# Allegro board LAY-29615_B4.brd (continued)
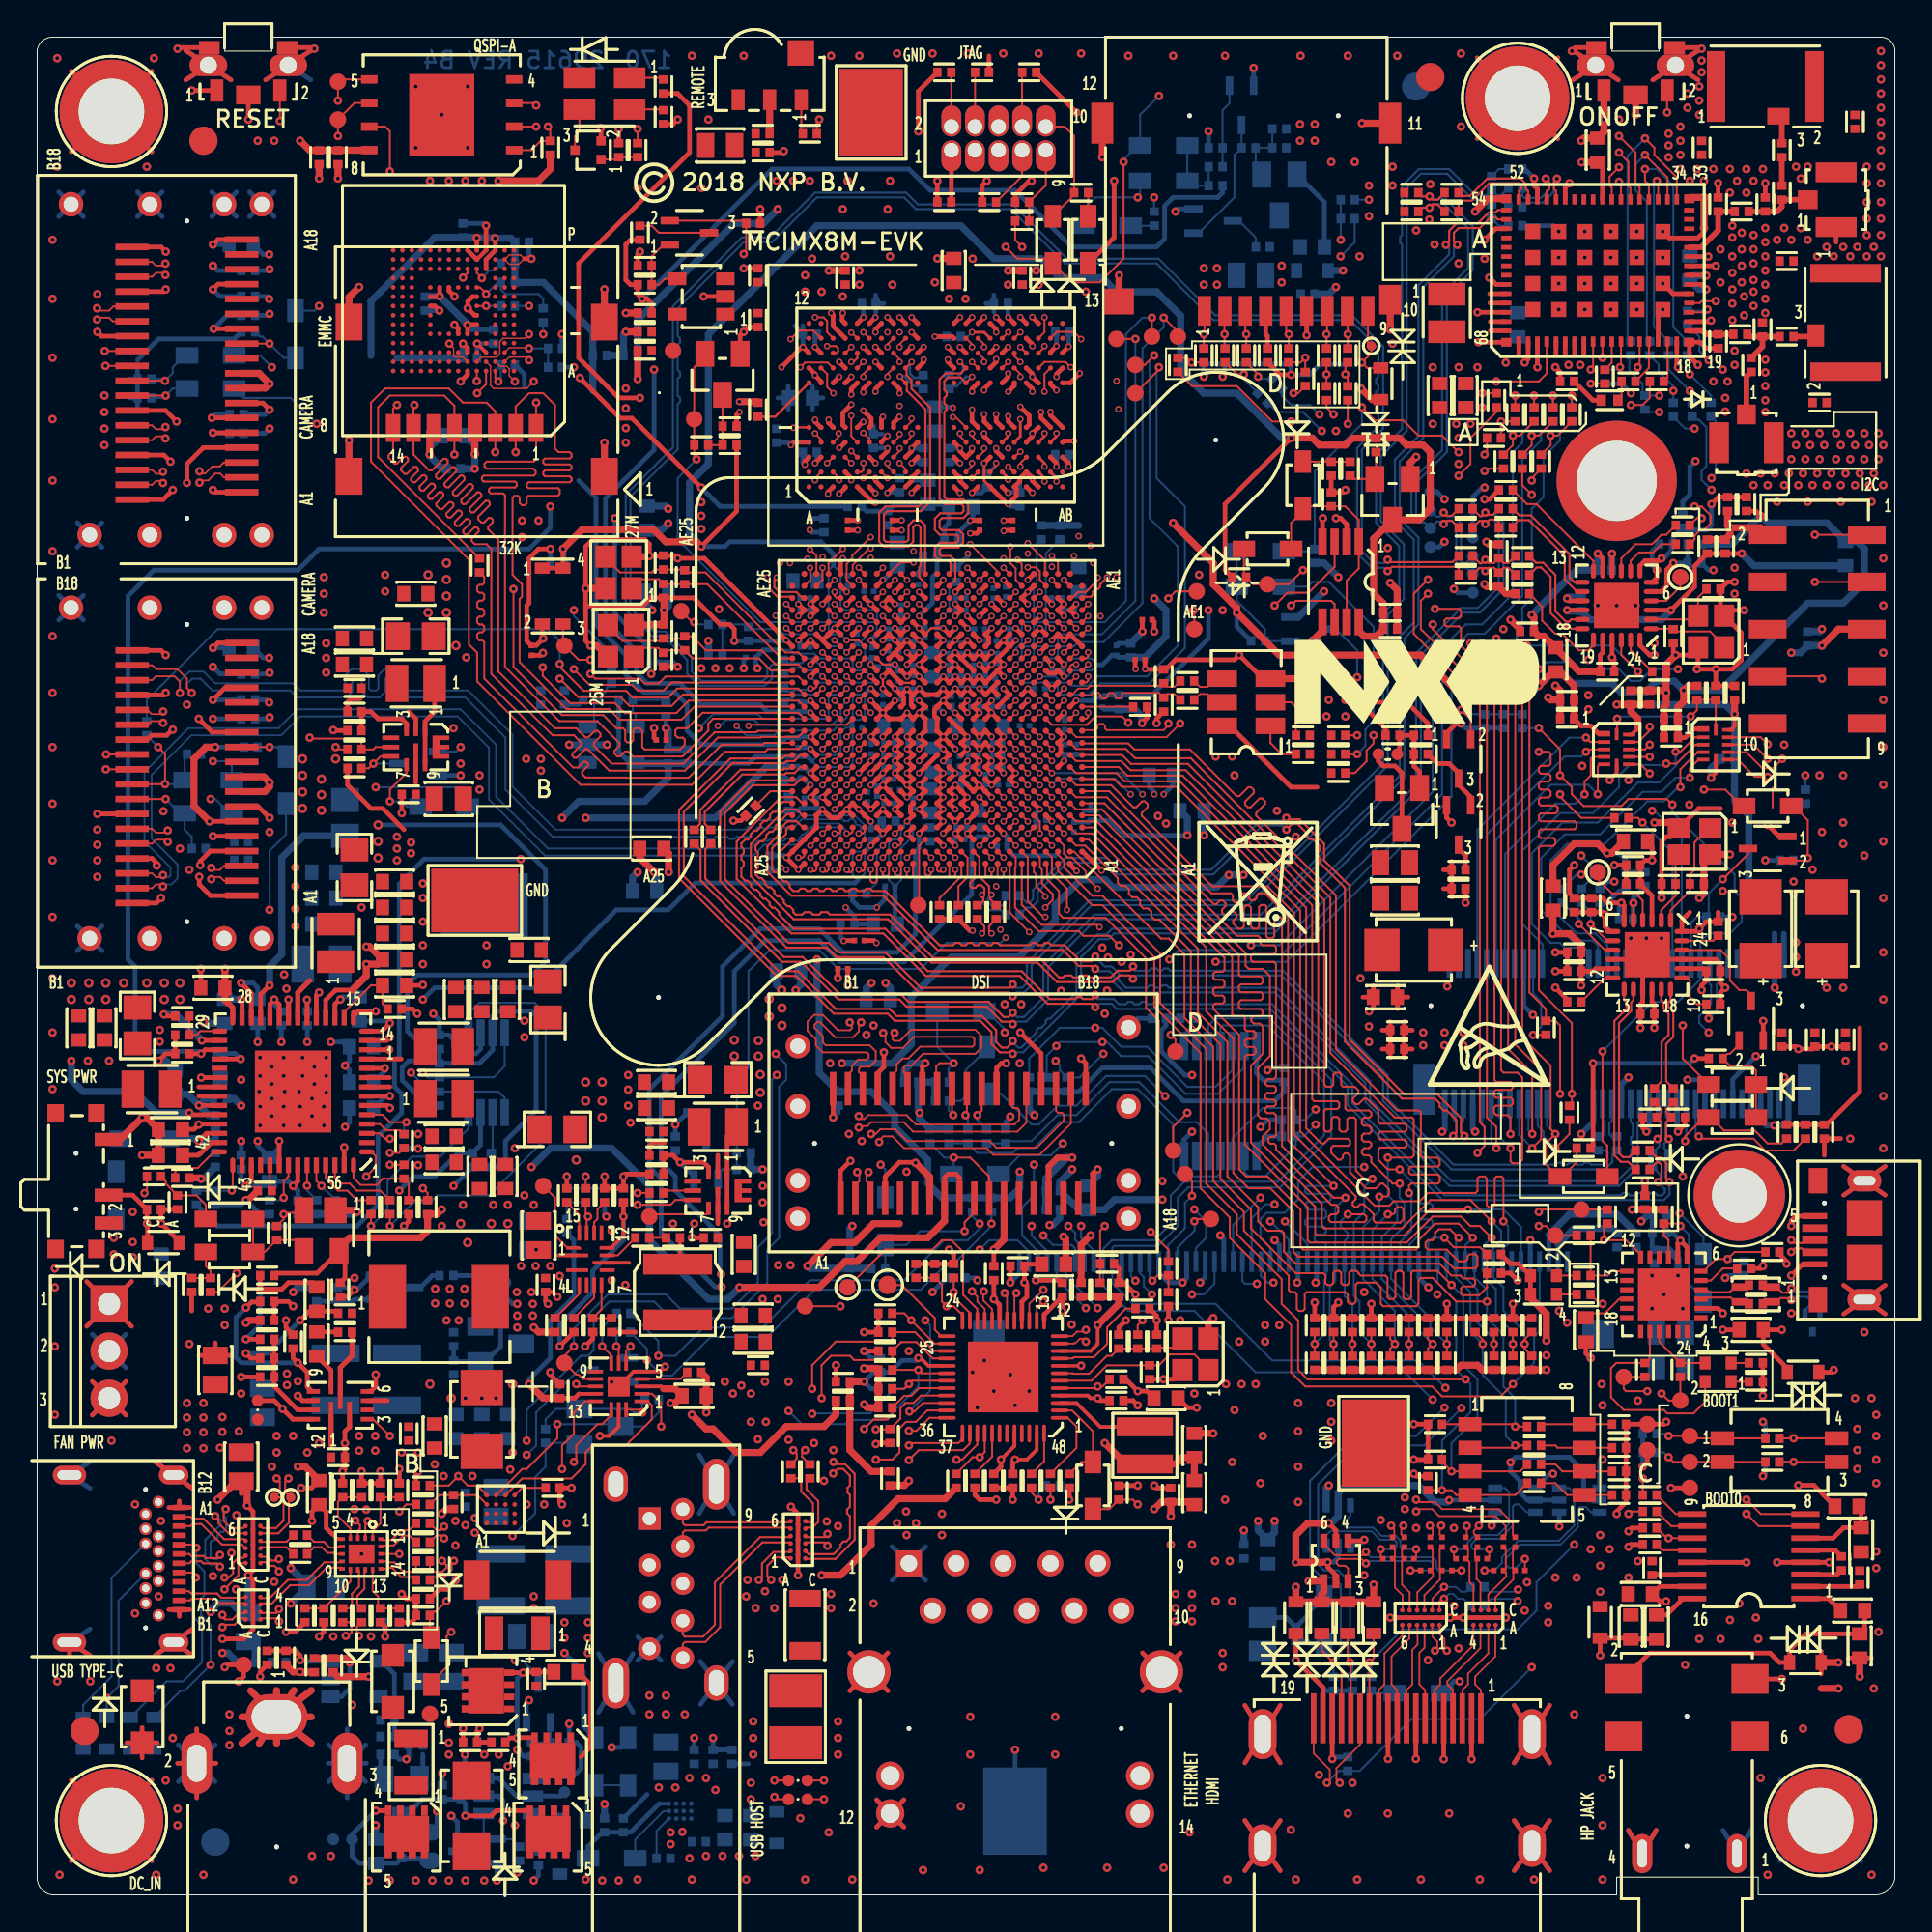
[diagram p0: board, top side]
## Nets
GND: BH1401.1(NC_1) BH1402.1(NC_1) BH1403.1(NC_1) BH1404.1(NC_1) BH1405.1 BH1406.1 C1.2 C2.2 C3.2 C4.2 C5.2 C6.2 C7.2 C8.2 C9.2 C10.2 C11.2 C12.2 C13.2 C14.2 C15.2 C16.2 C17.2 C18.2 C19.2 C20.2 C21.2 C22.2 C23.2 C24.2 C27.2 C28.2 C29.2 C31.2 C32.2 C33.2 C34.2 C35.2 C36.2 C101.2 C102.2 C103.2 C104.2 C105.2 C106.2 C107.2 C108.2 C109.2 C110.2 C111.2 C112.2 C113.2 C114.2 C115.2 C116.2 C117.2 C118.2 C119.2 C120.2 C121.2 C122.2 C123.2 C124.2 C125.2 C126.2 C127.2 C128.2 C129.2 C130.2 C131.2 C132.2 C133.2 C134.2 C135.2 C136.2 C137.2 C138.2 C139.2 C140.2 C144.2 C145.2 C146.1 C147.2 C148.2 C149.2 C150.2 C151.2 C152.2 C153.2 C154.2 C155.2 C156.2 C157.2 C158.2 C159.2 C160.2 C161.2 C162.2 C163.2 C164.2 C165.2 C166.2 C167.2 C168.2 C169.2 C170.2 C171.2 C172.2 C173.2 C174.2 C175.2 C176.2 C177.2 C178.2 C179.2 C180.2 C181.2 C182.2 C183.2 C184.2 C185.2 C186.2 C187.2 C188.2 C189.2 C190.2 C191.2 C192.2 C193.2 C194.2 C195.2 C196.2 C197.2 C198.2 C199.2 C201.2 C202.2 C203.2 C204.2 C205.2 C206.2 C207.2 C208.2 C209.2 C210.2 C211.2 C212.2 C213.2 C214.2 C215.2 C216.2 C217.2 C219.2 C401.2 C402.2 C403.2 C404.2 C405.2 C406.2 C407.2 C501.2 C601.2 C602.2 C603.2 C604.2 C605.2 C606.2 C607.2 C610.2 C611.2 C613.2 C614.2 C617.2 C618.2 C701.2 C702.2 C703.2 C704.2 C706.2 C707.2 C708.2 C709.2 C710.2 C711.2 C713.2 C715.2 C716.2 C717.2 C718.2 C719.2 C720.2 C721.2 C722.2 C723.2 C724.2 C725.2 C727.2 C728.2 C729.1 C730.2 C731.2 C732.2 C733.2 C734.2 C735.2 C736.1 C737.1 C738.2 C739.2 C740.1 C741.2 C742.2 C743.1 C744.2 C745.2 C746.1 C747.2 C748.1 C749.2 C750.1 C751.2 C752.2 C753.2 C754.2 C755.1 C756.1 C757.2 C758.2 C759.2 C760.2 C761.2 C762.1 C763.1 C764.2 C765.1 C766.2 C768.2 C769.2 C770.2 C771.2 C772.2 C773.2 C774.1 C775.2 C776.2 C777.2 C778.2 C779.2 C780.2 C788.2 C790.2 C791.2 C792.2 C793.2 C794.2 C795.2 C797.2 C798.2 C801.2 C802.2 C803.2 C804.2 C901.2 C902.2 C903.2 C904.2 C909.2 C910.2 C911.2 C912.2 C913.2 C914.1 C915.2 C916.1 C923.2 C924.2 C925.2 C926.2 C927.2 C928.2 C930.2 C932.2 C933.2 C934.2 C1001.2 C1002.2 C1101.2 C1102.2 C1103.1 C1104.2 C1110.2 C1111.1 C1201.2 C1202.2 C1203.2 C1204.2 C1205.2 C1206.2 C1207.2 C1208.2 C1209.2 C1211.2 C1212.2 C1213.2 C1214.2 C1216.1 C1217.2 C1218.2 C1219.2 C1220.2 C1221.2 C1301.2 C1302.2 C1307.2 C1308.1 C1309.1 C1310.1 C1315.2 C1316.2 C1317.2 C1318.2 C1319.2 C1320.2 C1321.2 C1322.2 C1323.2 C1324.2 C1325.1 C1326.1 C1327.2 C1328.2 C1329.2 C1401.2 C1402.2 C1403.2 C1410.2 C1411.2 C1412.2 C1413.2 C1414.2 C1415.2 C1416.2 C1417.2 C1418.2 C1419.2 C1422.2 C1423.2 C1424.2 C1425.2 C1426.2 C1429.2 C1430.2 C1431.2 C1432.2 C1433.2 C1434.2 C1435.2 C1436.2 C1437.2 C1438.2 C1439.2 C1440.2 C1509.2 C1510.2 C1511.2 C1512.2 C1513.2 C1514.2 C1515.2 C1516.2 C1517.2 C1518.2 C1519.2 C1520.2 C1521.2 C1522.2 C1523.2 C1524.2 C1525.2 C1526.2 C1527.2 C1528.2 C1529.2 C1530.2 C1601.2 C1602.2 C1603.2 C1604.2 C1605.2 C1606.2 C1608.2 C1609.2 C1610.2 C1611.2 C1701.2 C1703.2 C1704.2 C1705.2 C1706.2 C1707.2 C1801.2 C1802.2 D706.A(ANODE) D908.A D909.A D910.A(ANODE) D1601.2(CATHODE1) D1602.A D1603.A D1604.A D1605.A D1606.A D1607.A D1701.3(ANODE) E1301.1(GND_1) E1301.2(GND_2) E1302.1(GND_1) E1302.2(GND_2) J401.3(A2) J401.5(A3) J601.P6(VSS) J601.S1 J601.S2 J601.S3 J601.S4 J801.2(B1) J802.1 J802.3 J901.A1(GND1) J901.A12(GND2) J901.B1(GND4) J901.B12(GND3) J901.SH1 J901.SH2 J901.SH3 J901.SH4 J902.2 J902.3 J903.4(GND) J903.7(GND_DRAIN) J903.S1(G1) J903.S2(G2) J903.S3(G3) J903.S4(G4) J1001.2(D2GND) J1001.5(D1GND) J1001.8(D0GND) J1001.11(CKGND) J1001.17(DDCGND) J1001.G1(GND1) J1001.G2(GND2) J1001.G3(GND3) J1001.G4(GND4) J1101.1 J1101.4 J1201.1 J1201.12 J1301.2(GND1) J1301.3(GND2) J1302.2(GND1) J1302.3(GND2) J1401.1(GND1) J1401.7(GND2) J1401.18(GND3) J1401.33(GND5) J1401.39(GND4) J1401.45(GND6) J1401.51(GND7) J1401.57(GND8) J1401.63(GND9) J1401.69(GND10) J1401.75(GND11) J1501.A1(GND1) J1501.A4(GND2) J1501.A7(GND3) J1501.A12(GND4) J1501.A15(GND5) J1501.A18(GND6) J1501.B1(GND7) J1501.B4(GND8) J1501.B7(GND9) J1501.B12(GND10) J1501.B15(GND11) J1501.B18(GND12) J1501.T1 J1501.T2 J1501.T3 J1501.T4 J1501.T5 J1501.T6 J1501.T7 J1501.T8 J1502.A1(GND1) J1502.A4(GND2) J1502.A7(GND3) J1502.A12(GND4) J1502.A15(GND5) J1502.A18(GND6) J1502.B1(GND7) J1502.B4(GND8) J1502.B7(GND9) J1502.B12(GND10) J1502.B15(GND11) J1502.B18(GND12) J1502.T1 J1502.T2 J1502.T3 J1502.T4 J1502.T5 J1502.T6 J1502.T7 J1502.T8 J1503.A1(GND1) J1503.A4(GND2) J1503.A7(GND3) J1503.A12(GND4) J1503.A15(GND5) J1503.A18(GND6) J1503.B1(GND7) J1503.B4(GND8) J1503.B7(GND9) J1503.B12(GND10) J1503.B15(GND11) J1503.B18(GND12) J1503.T1 J1503.T2 J1503.T3 J1503.T4 J1503.T5 J1503.T6 J1503.T7 J1503.T8 J1601.6(VSS) J1601.10(GND1) J1601.11(GND2) J1601.12(GND3) J1601.13(GND4) J1701.5(GND) J1701.S1 J1701.S2 J1701.S3 J1701.S4 J1701.S5 J1701.S6 J1801.5 J1801.7 J1801.17 J1801.28 J1801.30 J1801.32 J1801.38 J1801.40 J1801.42 J1801.45 J1801.49 J1801.60 L1302.2 L1303.2 L1304.2 L1305.2 Q702.1(SOURCE) Q703.1(SOURCE) Q903.1(SOURCE) Q905.1(SOURCE) Q907.1(SOURCE) Q1001.1(S1) Q1001.4(S2) Q1002.1(S1) Q1002.4(S2) Q1003.1(S1) Q1003.4(S2) Q1004.1(S1) Q1004.4(S2) Q1301.1(SOURCE) Q1401.1(SOURCE) Q1403.1(SOURCE) Q1404.1(SOURCE) Q1405.1(SOURCE) Q1603.1(SOURCE) Q1604.1(SOURCE) Q1605.2(EMITTER) R205.1 R208.1 R210.2 R406.2 R407.2 R408.2 R410.2 R417.2 R501.2 R502.2 R503.2 R504.2 R505.2 R506.2 R512.2 R513.2 R707.2 R709.2 R711.2 R717.2 R720.1 R722.2 R746.2 R747.2 R753.2 R759.2 R763.2 R825.1 R826.1 R827.1 R828.1 R829.1 R830.1 R831.1 R832.1 R833.1 R834.1 R835.1 R836.1 R837.1 R838.1 R839.1 R840.1 R842.2 R844.2 R845.1 R846.2 R904.2 R909.2 R910.2 R911.2 R912.2 R916.2 R925.2 R933.2 R936.2 R937.2 R938.1 R939.2 R949.2 R1002.2 R1108.2 R1208.1 R1211.2 R1213.2 R1214.2 R1216.2 R1217.2 R1218.2 R1219.2 R1220.2 R1221.2 R1226.2 R1307.1 R1307.2 R1308.1 R1308.2 R1310.1 R1310.2 R1311.1 R1311.2 R1324.2 R1325.2 R1328.1 R1329.1 R1330.1 R1340.2 R1341.2 R1345.1 R1356.1 R1405.1 R1411.1 R1412.1 R1427.2 R1428.2 R1451.2 R1455.1 R1458.2 R1604.2 R1605.2 R1616.2 SW701.1(NO) SW1701.1 SW1701.3 SW1701.4 SW1701.5 SW1701.6 SW1701.7 SW1702.1 SW1702.3 SW1702.4 SW1702.5 SW1702.6 SW1702.7 TP1402.1(PIN1) TP1403.1(PIN1) TP1404.1(PIN1) TP1405.1(PIN1) TP1406.1(PIN1) TP1407.1(PIN1) TP1704.1(TP) TP1713.1(TP) TVS902.1(A1) TVS903.1(A1) TVS904.1(A1) TVS905.1(A1) TVS907.1(A1) TVS1002.1(A1) TVS1003.1(A1) TVS1004.1(A1) TVS1005.1(A1) TVS1101.1(A1) TVS1103.1(A1) TVS1601.1(A1) TVS1602.1(A1) TVS1701.1(A1) U101.A2(VSS12) U101.A24(VSS6) U101.AA5(VSS123) U101.AA16(VSS124) U101.AA21(VSS125) U101.AB2(VSS126) U101.AB9(VSS127) U101.AB11(VSS128) U101.AB18(VSS129) U101.AB24(VSS130) U101.AC4(VSS131) U101.AC19(VSS132) U101.AC22(VSS133) U101.AD1(VSS134) U101.AD7(VSS135) U101.AD9(VSS136) U101.AD11(VSS137) U101.AD13(VSS138) U101.AD16(VSS139) U101.AD25(VSS140) U101.AE2(VSS141) U101.AE5(VSS87) U101.AE21(VSS88) U101.AE24(VSS96) U101.B1(VSS43) U101.B25(VSS1) U101.C8(VSS2) U101.C10(VSS3) U101.C13(VSS4) U101.C15(VSS5) U101.C24(VSS7) U101.D10(VSS8) U101.D13(VSS9) U101.D15(VSS10) U101.D23(VSS11) U101.E4(VSS13) U101.E10(VSS14) U101.E13(VSS15) U101.E14(VSS16) U101.E16(VSS18) U101.E19(VSS19) U101.E20(VSS17) U101.E21(VSS20) U101.E22(VSS21) U101.E23(VSS22) U101.F10(VSS23) U101.F13(VSS24) U101.F14(VSS25) U101.F16(VSS27) U101.F20(VSS26) U101.G9(VSS28) U101.G10(VSS29) U101.G13(VSS30) U101.G17(VSS31) U101.G18(VSS32) U101.G24(VSS33) U101.H8(VSS34) U101.H9(VSS35) U101.H10(VSS36) U101.H11(VSS37) U101.H12(VSS38) U101.H13(VSS39) U101.H17(VSS40) U101.H18(VSS41) U101.J3(VSS42) U101.J8(VSS44) U101.J11(VSS45) U101.J12(VSS46) U101.J13(VSS47) U101.J14(VSS48) U101.J17(VSS49) U101.J18(VSS50) U101.J19(VSS51) U101.K8(VSS52) U101.K11(VSS53) U101.K13(VSSA_FPLL_ARM) U101.K17(VSS55) U101.K18(VSS56) U101.K23(VSS57) U101.L8(VSS58) U101.L11(VSS59) U101.L14(VSS60) U101.L17(VSS61) U101.M8(VSS62) U101.M11(VSS63) U101.M14(VSS64) U101.M17(VSS65) U101.N3(VSS66) U101.N12(VSSA_SPLL_VIDEO2) U101.N14(VSS68) U101.N15(VSS74) U101.N16(VSS73) U101.N17(VSS67) U101.N18(VSS54) U101.P6(VSS69) U101.P8(VSS70) U101.P11(VSS71) U101.P14(VSS72) U101.P17(VSS75) U101.P18(VSS76) U101.P23(VSS77) U101.R7(VSS78) U101.T3(VSS80) U101.T4(VSS81) U101.T9(VSS82) U101.T10(VSS83) U101.T11(VSS84) U101.T12(VSS85) U101.T13(VSS86) U101.T14(VSSA_SPLL_DRAM) U101.U8(VSS89) U101.U9(VSS90) U101.U15(VSS91) U101.U16(VSSA_FPLL) U101.U18(VSS92) U101.V4(VSS93) U101.V8(VSS94) U101.V16(VSS95) U101.V17(VSSA_SPLL) U101.V23(VSSA_XTAL_25M) U101.W1(VSS97) U101.W7(VSS98) U101.W8(VSS99) U101.W9(VSS79) U101.W10(VSS100) U101.W11(VSS101) U101.W12(VSS102) U101.W13(VSS103) U101.W14(VSS104) U101.W15(VSS105) U101.W16(VSS106) U101.W22(VSSA_XTAL_27M) U101.W25(VSS107) U101.Y2(VSS108) U101.Y3(VSS109) U101.Y4(VSS110) U101.Y5(VSS111) U101.Y7(VSS112) U101.Y9(VSS113) U101.Y11(VSS114) U101.Y13(VSS115) U101.Y15(VSS116) U101.Y17(VSS117) U101.Y19(VSS118) U101.Y21(VSS119) U101.Y22(VSS120) U101.Y23(VSS121) U101.Y24(VSS122) U201.A3(VSS_A3) U201.A10(VSS_A10) U201.AB3(VSS_AB3) U201.AB5(VSS_AB5) U201.AB8(VSS_AB8) U201.AB10(VSS_AB10) U201.C1(VSS_C1) U201.C5(VSS_C5) U201.C8(VSS_C8) U201.C12(VSS_C12) U201.D2(VSS_D2) U201.D4(VSS_D4) U201.D9(VSS_D9) U201.D11(VSS_D11) U201.E1(VSS_E1) U201.E5(VSS_E5) U201.E8(VSS_E8) U201.E12(VSS_E12) U201.G1(VSS_G1) U201.G3(VSS_G3) U201.G5(VSS_G5) U201.G8(VSS_G8) U201.G10(VSS_G10) U201.G12(VSS_G12) U201.J1(VSS_J1) U201.J3(VSS_J3) U201.J10(VSS_J10) U201.J12(VSS_J12) U201.K2(VSS_K2) U201.K4(VSS_K4) U201.K9(VSS_K9) U201.K11(VSS_K11) U201.N2(VSS_N2) U201.N4(VSS_N4) U201.N9(VSS_N9) U201.N11(VSS_N11) U201.P1(VSS_P1) U201.P3(VSS_P3) U201.P10(VSS_P10) U201.P12(VSS_P12) U201.T1(VSS_T1) U201.T3(VSS_T3) U201.T5(VSS_T5) U201.T8(VSS_T8) U201.T10(VSS_T10) U201.T12(VSS_T12) U201.V1(VSS_V1) U201.V5(VSS_V5) U201.V8(VSS_V8) U201.V12(VSS_V12) U201.W2(VSS_W2) U201.W4(VSS_W4) U201.W9(VSS_W9) U201.W11(VSS_W11) U201.Y1(VSS_Y1) U201.Y5(VSS_Y5) U201.Y8(VSS_Y8) U201.Y12(VSS_Y12) U401.1(GND) U601.A6(VSS1) U601.C4(VSSQ1) U601.E7(VSS2) U601.G5(VSS3) U601.H10(VSS4) U601.J5(VSS5) U601.K8(VSS6) U601.N2(VSSQ2) U601.N5(VSSQ3) U601.P4(VSSQ4) U601.P6(VSSQ5) U603.4(VSS) U603.9(EP) U701.2(PGND) U701.10(AGND) U702.14(SW1VSSSNS) U702.15(GNDREF1) U702.32(SW3VSSSNS) U702.48(GNDREF) U702.57(EPGND) U703.2(GND) U704.1(GND) U705.10(GND) U706.3(PGND1) U706.8(PGND2) U706.12(AGND) U707.10(GND) U801.1(GND) U802.2(1A) U802.4(GND) U901.19(GND) U902.B1(GND_CH1) U902.B2(GND_CH2) U902.B3(GND_CH3) U903.B1(GND_CH1) U903.B2(GND_CH2) U905.B3(GND1) U905.C3(GND2) U905.D3(GND3) U906.B3(GND1) U906.C3(GND2) U906.D3(GND3) U907.5(SLV_ADDR) U907.17(GND) U908.B1(GND_CH1) U908.B2(GND_CH2) U908.B3(GND_CH3) U909.2(V-) U910.2(VS-) U1001.B1(GND_CH1) U1001.B2(GND_CH2) U1001.B3(GND_CH3) U1002.B1(GND_CH1) U1002.B2(GND_CH2) U1101.4(LINEGND) U1101.13(AGND) U1201.49(GND) U1301.3(GND1) U1301.16(GND2) U1301.18(GND3) U1301.19(GND4) U1301.21(GND5) U1301.24(GND6) U1301.27(GND7) U1301.28(GND8) U1301.30(GND9) U1301.34(GND10) U1301.47(GND11) U1301.50(GND12) U1301.53(GND13) U1301.56(GND14) U1301.62(GND15) U1301.65(GND16) U1301.68(GND17) U1301.70(GND18) U1301.71(GND19) U1301.72(GND20) U1301.73(GND21) U1301.74(GND22) U1301.75(GND23) U1301.76(GND24) U1301.77(GND25) U1301.78(GND26) U1301.79(GND27) U1301.80(GND28) U1301.81(GND29) U1301.85(GND30) U1301.86(GND31) U1301.87(GND32) U1301.88(GND33) U1301.89(GND34) U1301.90(GND35) U1301.91(GND36) U1301.92(GND37) U1302.6(GNDDIG) U1302.10(GND_1) U1302.15(GNDA) U1302.21(GND_2) U1302.24(GNDXTAL) U1302.25(EPAD) U1401.6(GNDDIG) U1401.10(GND_1) U1401.15(GNDA) U1401.21(GND_2) U1401.24(GNDXTAL) U1401.25(EPAD) U1402.6(GND) U1403.6(GND) U1501.7(GND) U1502.2(GND) U1601.2(GND) U1602.3(GND) U1602.4(SHIELD) U1701.2(GND) U1701.25(GND_PAD) Y401.2 Y401.4 Y402.2 Y402.4 Y403.2(GND) Y501.3(GND) Y1201.2 Y1201.4 Y1301.2 Y1301.4 Y1401.2 Y1401.4
GND_CHASSIS: C1216.2 J1201.15(SH1) J1201.16(SH2) R1208.2
VBUS_CP210X: C1701.1 C1704.1 L1702.2 U1701.7(REGIN) U1701.8(VBUS)
VBUS_USB_BDG: J1701.1(VBUS) L1702.1 TVS1701.2(A2)
VCC: J401.1(A1) R405.2
VCC_3V6: C711.1 R706.1 U701.9(VCC)
VCC_5V: C774.2 R732.1 U706.11(VCC)
VDD_12V: J1501.A8(SIDEBAND_7) J1501.A9(SIDEBAND_3) J1502.A8(SIDEBAND_7) J1502.A9(SIDEBAND_3) J1503.A8(SIDEBAND_7) J1503.A9(SIDEBAND_3)
VDD_ARM_0V9: C14.1 C23.1 C24.1 C27.1 C28.1 C118.1 C119.1 C120.1 C121.1 C122.1 C165.1 C166.1 SH709.2 U101.G14(VDD_ARM13) U101.G15(VDD_ARM1) U101.G16(VDD_ARM7) U101.H14(VDD_ARM14) U101.H15(VDD_ARM2) U101.H16(VDD_ARM8) U101.J15(VDD_ARM3) U101.J16(VDD_ARM9) U101.K15(VDD_ARM4) U101.K16(VDD_ARM10) U101.L15(VDD_ARM5) U101.L16(VDD_ARM11) U101.M15(VDD_ARM6) U101.M16(VDD_ARM12)
VDD_DRAM_0V9: C17.1 C33.1 C34.1 C108.1 C110.1 C114.1 C115.1 C117.1 C129.1 C130.1 C131.1 C132.1 C133.1 C134.1 C135.1 C136.1 C137.1 C138.1 C171.1 C172.1 SH704.2 U101.U10(VDD_DRAM11) U101.U11(VDD_DRAM8) U101.U12(VDD_DRAM10) U101.U13(VDD_DRAM12) U101.U14(VDD_DRAM9) U101.V9(VDD_DRAM1) U101.V10(VDD_DRAM7) U101.V11(VDD_DRAM6) U101.V12(VDD_DRAM5) U101.V13(VDD_DRAM4) U101.V14(VDD_DRAM3) U101.V15(VDD_DRAM2) U101.Y6(VDD_DRAM13) U101.Y8(VDD_DRAM14) U101.Y10(VDD_DRAM18) U101.Y16(VDD_DRAM17) U101.Y18(VDD_DRAM16) U101.Y20(VDD_DRAM15)
VDD_GPU_0V9: C16.1 C21.1 C22.1 C31.1 C32.1 C126.1 C127.1 C128.1 C169.1 C170.1 SH701.2 U101.J9(VDD_GPU1) U101.J10(VDD_GPU5) U101.K9(VDD_GPU2) U101.K10(VDD_GPU6) U101.L9(VDD_GPU3) U101.L10(VDD_GPU7) U101.M9(VDD_GPU4) U101.M10(VDD_GPU8)
VDD_PHY_0V9: C5.1 C7.1 C10.1 C12.1 C179.1 C180.1 C182.1 C183.1 C185.1 C186.1 C188.1 C189.1 C190.1 C749.1 L101.2 U101.C11(USB2_VPTX) U101.C12(USB1_VPTX) U101.D11(USB2_VP) U101.D12(USB1_VP) U101.E11(USB2_DVDD) U101.E12(USB1_DVDD) U101.E17(MIPI_VDDA1) U101.E18(MIPI_VDDA2) U101.F17(MIPI_VDDA3) U101.F18(MIPI_VDDA4) U101.F19(MIPI_VDDPLL) U101.F22(PCIE_VP2) U101.F23(PCIE_VPTX2) U101.G22(PCIE_VP1) U101.G23(PCIE_VPTX1) U101.U3(HDMI_AVDDCORE2) U101.U4(HDMI_AVDDCORE1) U101.V3(HDMI_AVDDCLK) U702.18(VGEN2)
VDD_PHY_1V8: C9.1 C11.1 C184.1 C187.1 C751.1 Q1001.2(G1) Q1001.5(G2) Q1002.2(G1) Q1002.5(G2) Q1003.2(G1) Q1003.5(G2) Q1004.2(G1) Q1004.5(G2) U101.C18(MIPI_VDDHA1) U101.D17(MIPI_VDDHA2) U101.D18(MIPI_VDDHA3) U101.P2(HDMI_AVDDIO) U702.26(VGEN3)
VDD_PHY_3V3: C4.1 C6.1 C8.1 C178.1 C181.1 C757.1 U101.F11(USB2_VPH) U101.F12(USB1_VPH) U101.G11(USB2_VDD33) U101.G12(USB1_VDD33) U101.H23(PCIE_VPH1) U101.J23(PCIE_VPH2) U702.39(VGEN5)
VDD_SNVS_0V9: C102.1 C717.1 C718.1 R757.2 R758.2 U101.R18(VDD_SNVS) U703.5(OUT)
VDD_SOC_0V9: C13.1 C104.1 C105.1 C106.1 C107.1 C109.1 C111.1 C112.1 C113.1 C116.1 C144.1 C145.1 C173.1 L104.1 SH708.2 U101.K12(VDD_SOC11) U101.L12(VDD_SOC12) U101.L13(VDD_SOC17) U101.M12(VDD_SOC13) U101.M13(VDD_SOC18) U101.N13(VDD_SOC19) U101.P12(VDD_SOC15) U101.P13(VDD_SOC20) U101.P15(VDD_SOC16) U101.P16(VDD_SOC14) U101.R8(VDD_SOC1) U101.R9(VDD_SOC2) U101.R10(VDD_SOC3) U101.R11(VDD_SOC4) U101.R12(VDD_SOC5) U101.R13(VDD_SOC6) U101.R14(VDD_SOC7) U101.R15(VDD_SOC8) U101.R16(VDD_SOC9) U101.T8(VDD_SOC10) U101.T17(VDD_SOC21)
VDD_VPU_0V9: C15.1 C29.1 C123.1 C124.1 C125.1 C167.1 C168.1 SH702.2 U101.N8(VDD_VPU1) U101.N9(VDD_VPU2) U101.N10(VDD_VPU3) U101.P9(VDD_VPU4) U101.P10(VDD_VPU5)
VDDA_1V8: C147.1 C148.1 C149.1 C150.1 C151.1 C152.1 C174.1 C754.1 R715.1 U101.AA11(VDDA_DRAM) U101.K14(VDDA_1P8_FPLL_ARM) U101.N11(VDDA_1P8_SPLL_VIDEO2) U101.R17(EFUSE_VQPS) U101.T15(VDDA_1P8_SPLL_DRAM) U101.T16(VDDA_1P8_TSENSOR) U101.U17(VDDA_1P8_FPLL) U101.U23(VDDA_1P8_LVDS) U101.W17(VDDA_1P8_SPLL) U101.W23(VDDA_1P8_XTAL_27M) U101.W24(VDDA_1P8_XTAL_25M) U702.28(VGEN4)
ANT0: L1302.1 R1348.1 U1301.20(ANT_0)
ANT0_OUT: L1303.1 R1302.1 R1306.1 R1348.2
ANT1: L1304.1 R1349.1 U1301.29(ANT_1)
ANT1_OUT: J1302.1(CTR) L1305.1 R1304.1 R1349.2
AUD_NMUTE: R1108.1 U101.N7(GPIO1_IO08) U1101.11(M\U\T\E\)
BOOT_MODE0: R818.1 R846.1 SW802.2(A2) TP1710.1(TP) U101.W6(BOOT_MODE0) U802.3(2Y)
BOOT_MODE1: R817.1 R845.2 SW802.1(A1) TP1711.1(TP) U101.V6(BOOT_MODE1) U802.6(1Y)
BT_DEV_WAKE: R1351.1 R1441.2 U101.G21(NAND_CE1_B)
BT_REG_ON: D1403.C Q1405.2(GATE) R309.2 R1320.1 R1463.2
BT_RF_KILL: U101.A5(ECSPI2_SS0) U1301.4(BT_RF_KILL)
CC1: J901.A5(CC1) TVS902.2(A2) U907.13(CC1)
CC2: J901.B5(CC2) TVS903.2(A2) U907.14(CC2)
CLK1_N: R413.1 U101.T23(CLK1_N)
CLK1_P: R413.2 U101.R23(CLK1_P)
CLK2_N: C1314.1 R414.1 U101.U22(CLK2_N)
CLK2_P: C1313.1 R414.2 U101.T22(CLK2_P)
CLKO2: D1502.C D1505.C U101.J6(GPIO1_IO15)
CLKO_25MHZ: R1225.1 U101.K7(GPIO1_IO14)
CSI2_I2C_SCL: J1503.B11(SIDEBAND_6) R1527.2 U1502.4(A2)
CSI2_I2C_SDA: J1503.B10(SIDEBAND_2) R1526.2 U1502.5(A1)
CSI_NRST: D1506.C D1507.C U101.N5(GPIO1_IO06)
CSI_P1_CKN: J1502.A2(RX0_P) U101.A22(MIPI_CSI1_CLK_N)
CSI_P1_CKP: J1502.A3(RX0_N) U101.B22(MIPI_CSI1_CLK_P)
CSI_P1_DN0: J1502.B2(TX0_P) U101.A23(MIPI_CSI1_D0_N)
CSI_P1_DN1: J1502.B5(TX1_P) U101.C22(MIPI_CSI1_D1_N)
CSI_P1_DN2: J1502.B13(TX2_P) U101.B24(MIPI_CSI1_D2_N)
CSI_P1_DN3: J1502.B16(TX3_P) U101.C21(MIPI_CSI1_D3_N)
CSI_P1_DP0: J1502.B3(TX0_N) U101.B23(MIPI_CSI1_D0_P)
CSI_P1_DP1: J1502.B6(TX1_N) U101.D22(MIPI_CSI1_D1_P)
CSI_P1_DP2: J1502.B14(TX2_N) U101.C23(MIPI_CSI1_D2_P)
CSI_P1_DP3: J1502.B17(TX3_N) U101.D21(MIPI_CSI1_D3_P)
CSI_P1_PWDN: D1503.C U101.P4(GPIO1_IO03)
CSI_P2_CKN: J1503.A2(RX0_P) U101.A19(MIPI_CSI2_CLK_N)
CSI_P2_CKP: J1503.A3(RX0_N) U101.B19(MIPI_CSI2_CLK_P)
CSI_P2_DN0: J1503.B2(TX0_P) U101.C20(MIPI_CSI2_D0_N)
CSI_P2_DN1: J1503.B5(TX1_P) U101.A20(MIPI_CSI2_D1_N)
CSI_P2_DN2: J1503.B13(TX2_P) U101.A21(MIPI_CSI2_D2_N)
CSI_P2_DN3: J1503.B16(TX3_P) U101.C19(MIPI_CSI2_D3_N)
CSI_P2_DP0: J1503.B3(TX0_N) U101.D20(MIPI_CSI2_D0_P)
CSI_P2_DP1: J1503.B6(TX1_N) U101.B20(MIPI_CSI2_D1_P)
CSI_P2_DP2: J1503.B14(TX2_N) U101.B21(MIPI_CSI2_D2_P)
CSI_P2_DP3: J1503.B17(TX3_N) U101.D19(MIPI_CSI2_D3_P)
CSI_P2_PWDN: D1504.C U101.P7(GPIO1_IO05)
DC_IN: D902.A D909.C F901.1 J902.1 TP1712.1(TP)
DCDC_3V3: C706.1 C707.1 C708.1 C709.1 C710.1 C712.2 C713.1 C715.1 C716.1 C719.1 C729.2 C736.2 C737.2 C740.2 C743.2 C746.2 C748.2 C750.2 C755.2 C758.1 C762.2 C765.2 C766.1 C775.1 C776.1 C779.1 C799.1 L701.2 Q701.2(SOURCE) R701.1 R702.1 R712.1 R755.1 R756.1 R760.1 R1622.1 U701.5(VOUT) U702.7(SW1AIN) U702.10(SW1BIN) U702.12(SW1CIN) U702.17(VIN1) U702.20(SW4IN) U702.23(SW2IN_1) U702.24(SW2IN_2) U702.27(VIN2) U702.34(SW3BIN) U702.37(SW3AIN) U702.45(SWBSTIN) U702.50(VIN) U703.1(IN) U705.8(VIN1) U705.11(VIN2) U707.8(VIN1) U707.11(VIN2)
DCDC_5V: C790.1 C791.1 C792.1 C909.1 C910.1 C916.2 C927.1 C928.1 C1001.1 C1002.1 C1511.1 C1514.1 C1517.1 C1520.1 C1524.1 C1525.1 D705.A(ANODE) F1001.1 J1501.A16(RX3_P) J1501.A17(RX3_N) J1502.A16(RX3_P) J1502.A17(RX3_N) J1503.A16(RX3_P) J1503.A17(RX3_N) L709.2 R748.1 R749.2 R843.1 R902.1 R921.1 R932.1 R934.1 U905.B1(VINT1) U905.B2(VINT2) U905.C1(VINT3) U906.A1(VIN1) U906.A2(VIN2) U907.12(VCONN_IN) U909.5(V+)
DCDC_5V_CN: D1001.C J1001.18(+5V) R1004.1 R1009.1 R1011.2 TVS1002.2(A2)
DEBUG_ACCESS: U907.9(DBG_ACC)
DRAM_CA0_A: U101.AD17(CA0_A / A12 / A12(BC#)) U201.H2(CA0_A)
DRAM_CA0_B: U101.AE8(CA0_B / C2 / --) U201.R2(CA0_B)
DRAM_CA1_A: U101.AE16(CA1_A / A11 / A11) U201.J2(CA1_A)
DRAM_CA1_B: U101.AE9(CA1_B / CAS_N(A15) / CAS#) U201.P2(CA1_B)
DRAM_CA2_A: U101.AD20(CA2_A / A7 / A7) U201.H9(CA2_A)
DRAM_CA2_B: U101.AC7(CA2_B / A13 / A13) U201.R9(CA2_B)
DRAM_CA3_A: U101.AE20(CA3_A / A8 / A8) U201.H10(CA3_A)
DRAM_CA3_B: U101.AE7(CA3_B / BA0 / BA0) U201.R10(CA3_B)
DRAM_CA4_A: U101.AD19(CA4_A / A6 / A6) U201.H11(CA4_A)
DRAM_CA4_B: U101.AE6(CA4_B / A10(AP) / A10(AP)) U201.R11(CA4_B)
DRAM_CA5_A: U101.AE19(CA5_A / A5 / A5) U201.J11(CA5_A)
DRAM_CA5_B: U101.AD6(CA5_B / A0 / A0) U201.P11(CA5_B)
DRAM_CK_C_A: R201.2 U101.AE14(CK_C_A / BG1 / A14) U201.J9(CK_C_A)
DRAM_CK_C_B: R202.2 U101.AE12(CK_C_B / A1 / A1) U201.P9(CK_C_B)
DRAM_CK_T_A: R201.1 U101.AD14(CK_T_A / BG0 / BA2) U201.J8(CK_T_A)
DRAM_CK_T_B: R202.1 U101.AD12(CK_T_B / A2 / A2) U201.P8(CK_T_B)
DRAM_CKE0_A: U101.AC16(CKE0_A / CKE0 / CKE0) U201.J4(CKE0_A)
DRAM_CKE0_B: U101.AD10(CKE0_B / CK_T_B / CK_B) U201.P4(CKE0_B)
DRAM_CKE1_A: U101.AE17(CKE1_A / CKE1 / CKE1) U201.J5(CKE1_A)
DRAM_CKE1_B: U101.AE10(CKE1_B / CK_C_B / CK#_B) U201.P5(CKE1_B)
DRAM_DATA0_A: U101.AE23(DRAM_DQ00) U201.B2(DQ0_A)
DRAM_DATA0_B: U101.AE3(DRAM_DQ16) U201.AA2(DQ0_B)
DRAM_DATA1_A: U101.AD24(DRAM_DQ01) U201.C2(DQ1_A)
DRAM_DATA1_B: U101.AD2(DRAM_DQ17) U201.Y2(DQ1_B)
DRAM_DATA2_A: U101.AE22(DRAM_DQ02) U201.E2(DQ2_A)
DRAM_DATA2_B: U101.AE4(DRAM_DQ18) U201.V2(DQ2_B)
DRAM_DATA3_A: U101.AD22(DRAM_DQ03) U201.F2(DQ3_A)
DRAM_DATA3_B: U101.AD4(DRAM_DQ19) U201.U2(DQ3_B)
DRAM_DATA4_A: U101.AA24(DRAM_DQ04) U201.F4(DQ4_A)
DRAM_DATA4_B: U101.AA2(DRAM_DQ20) U201.U4(DQ4_B)
DRAM_DATA5_A: U101.Y25(DRAM_DQ05) U201.E4(DQ5_A)
DRAM_DATA5_B: U101.Y1(DRAM_DQ21) U201.V4(DQ5_B)
DRAM_DATA6_A: U101.AA25(DRAM_DQ06) U201.C4(DQ6_A)
DRAM_DATA6_B: U101.AA1(DRAM_DQ22) U201.Y4(DQ6_B)
DRAM_DATA7_A: U101.AB25(DRAM_DQ07) U201.B4(DQ7_A)
DRAM_DATA7_B: U101.AB1(DRAM_DQ23) U201.AA4(DQ7_B)
DRAM_DATA8_A: U101.AB22(DRAM_DQ08) U201.B11(DQ8_A)
DRAM_DATA8_B: U101.AB4(DRAM_DQ24) U201.AA11(DQ8_B)
DRAM_DATA9_A: U101.AA22(DRAM_DQ09) U201.C11(DQ9_A)
DRAM_DATA9_B: U101.AA4(DRAM_DQ25) U201.Y11(DQ9_B)
DRAM_DATA10_A: U101.AA23(DRAM_DQ10) U201.E11(DQ10_A)
DRAM_DATA10_B: U101.AA3(DRAM_DQ26) U201.V11(DQ10_B)
DRAM_DATA11_A: U101.AA20(DRAM_DQ11) U201.F11(DQ11_A)
DRAM_DATA11_B: U101.AA6(DRAM_DQ27) U201.U11(DQ11_B)
DRAM_DATA12_A: U101.AA18(DRAM_DQ12) U201.F9(DQ12_A)
DRAM_DATA12_B: U101.AA8(DRAM_DQ28) U201.U9(DQ12_B)
DRAM_DATA13_A: U101.AB19(DRAM_DQ13) U201.E9(DQ13_A)
DRAM_DATA13_B: U101.AB7(DRAM_DQ29) U201.V9(DQ13_B)
DRAM_DATA14_A: U101.AA19(DRAM_DQ14) U201.C9(DQ14_A)
DRAM_DATA14_B: U101.AA7(DRAM_DQ30) U201.Y9(DQ14_B)
DRAM_DATA15_A: U101.AA17(DRAM_DQ15) U201.B9(DQ15_A)
DRAM_DATA15_B: U101.AA9(DRAM_DQ31) U201.AA9(DQ15_B)
DRAM_DMI0_A: U101.AD23(DRAM_DM0) U201.C3(DMI0_A)
DRAM_DMI0_B: U101.AD3(DRAM_DM2) U201.Y3(DMI0_B)
DRAM_DMI1_A: U101.AB20(DRAM_DM1) U201.C10(DMI1_A)
DRAM_DMI1_B: U101.AB6(DRAM_DM3) U201.Y10(DMI1_B)
DRAM_NCS0_A: U101.AE18(CS0_A / CS0_N / CS0#) U201.H4(CS0_A)
DRAM_NCS0_B: U101.AC9(CS0_B / -- / --) U201.R4(CS0_B)
DRAM_NCS1_A: U101.AC18(CS1_A / C0 / --) U201.H3(CS1_A)
DRAM_NCS1_B: U101.AD8(CS1_B / -- / --) U201.R3(CS1_B)
DRAM_NRESET: R208.2 U101.AB13(RESET_N / RESET_N / RESET#) U201.T11(RESET_N)
DRAM_SDQS0_C_A: U101.AC25(DRAM_DQS0_N) U201.E3(DQS0_C_A)
DRAM_SDQS0_C_B: U101.AC1(DRAM_DQS2_N) U201.V3(DQS0_C_B)
DRAM_SDQS0_T_A: U101.AC24(DRAM_DQS0_P) U201.D3(DQS0_T_A)
DRAM_SDQS0_T_B: U101.AC2(DRAM_DQS2_P) U201.W3(DQS0_T_B)
DRAM_SDQS1_C_A: U101.AC21(DRAM_DQS1_N) U201.E10(DQS1_C_A)
DRAM_SDQS1_C_B: U101.AC5(DRAM_DQS3_N) U201.V10(DQS1_C_B)
DRAM_SDQS1_T_A: U101.AB21(DRAM_DQS1_P) U201.D10(DQS1_T_A)
DRAM_SDQS1_T_B: U101.AB5(DRAM_DQS3_P) U201.W10(DQS1_T_B)
DRAM_VREF: C216.1 C218.2 C219.1 R209.2 R210.1 R215.1 U101.AA14(VREF / VREF / VREF)
DRAM_ZQ0: R203.2 U201.A5(ZQ0)
DRAM_ZQ1: R204.2 U201.A8(ZQ1)
DSI_BL_PWM: D1508.C U101.T7(GPIO1_IO01)
DSI_CKN: J1501.A2(RX0_P) U101.C16(MIPI_DSI_CLK_N)
DSI_CKP: J1501.A3(RX0_N) U101.D16(MIPI_DSI_CLK_P)
DSI_DN0: J1501.B2(TX0_P) U101.A17(MIPI_DSI_D0_N)
DSI_DN1: J1501.B5(TX1_P) U101.A16(MIPI_DSI_D1_N)
DSI_DN2: J1501.B13(TX2_P) U101.A18(MIPI_DSI_D2_N)
DSI_DN3: J1501.B16(TX3_P) U101.A15(MIPI_DSI_D3_N)
DSI_DP0: J1501.B3(TX0_N) U101.B17(MIPI_DSI_D0_P)
DSI_DP1: J1501.B6(TX1_N) U101.B16(MIPI_DSI_D1_P)
DSI_DP2: J1501.B14(TX2_N) U101.B18(MIPI_DSI_D2_P)
DSI_DP3: J1501.B17(TX3_N) U101.B15(MIPI_DSI_D3_P)
DSI_EN: D1501.C U101.D5(ECSPI1_SCLK)
DSI_TS_NINT: D1509.C U101.A4(ECSPI1_MOSI)
DSI_TS_NRST: D1510.A J1501.A10(SIDEBAND_4) R1531.2
DSI_TS_SCL: R1501.2 R1525.2 U1501.5(A4)
DSI_TS_SDA: R1502.2 R1524.2 U1501.4(A3)
EMMC_CLK: J601.P5(CLK) R616.2 U601.M6(CLK)
EMMC_DQS: R617.1 U601.H5(DS)
EMMC_NRST: R603.2 R621.2 U601.K5(R\S\T\)
EMMC_VDDIM: C610.1 C611.1 U601.C2(VDDIM)
EN_SNK: R914.1 U907.2(EN_SNK1)
EN_SRC: Q906.2(SOURCE) R930.1 R931.2 U907.16(EN_SRC)
ENET_AVDD33: C1201.1 C1204.1 L1201.2 U1201.16(AVDD33)
ENET_AVDDL_1V1: C1211.1 C1212.1 C1213.1 C1214.1 L1203.1 U1201.8(AVDDL1) U1201.13(AVDDL3) U1201.19(AVDDL4) U1201.44(AVDDL2)
ENET_DVDDL_1V1: C1208.1 C1209.1 L1202.2 L1203.2 R1207.1 U1201.47(DVDDL)
ENET_LX: L1202.1 U1201.3(LX)
ENET_MDC: R1209.1 U101.N20(ENET_MDC)
ENET_MDIO: R1204.2 R1210.1 U101.N19(ENET_MDIO)
ENET_NINT: R1205.2 U101.L6(GPIO1_IO11) U1201.5(INT)
ENET_NRST: D1201.C R1223.2 U101.M6(GPIO1_IO09)
ENET_RD0: R1212.1 R1213.1 U101.U19(ENET_RD0) U1201.31(RXD0)
ENET_RD1: R1214.1 U101.U21(ENET_RD1) U1201.30(RXD1)
ENET_RD2: R1218.1 U101.U20(ENET_RD2) U1201.28(RXD2)
ENET_RD3: R1220.1 U101.V19(ENET_RD3) U1201.27(RXD3)
ENET_RX_CTL: R1217.1 U101.T21(ENET_RX_CTL) U1201.32(RX_DV)
ENET_RXC: R1219.1 U101.T20(ENET_RXC) U1201.33(RX_CLK)
ENET_SD: R1207.2 U1201.41(SD)
ENET_TD0: U101.R20(ENET_TD0) U1201.36(TXD0)
ENET_TD1: U101.R21(ENET_TD1) U1201.37(TXD1)
ENET_TD2: U101.R19(ENET_TD2) U1201.38(TXD2)
ENET_TD3: U101.P20(ENET_TD3) U1201.39(TXD3)
ENET_TX_CTL: U101.P19(ENET_TX_CTL) U1201.34(TX_EN)
ENET_TXC: U101.T19(ENET_TXC) U1201.35(GTX_CLK)
ENET_VDDH_2V5: C1205.1 R1204.1 R1215.2 R1222.2 R1224.1 U1201.10(VDDH_REG)
ENET_VDDIO_2V5: C1202.1 C1203.1 R1201.1 R1212.2 R1222.1 R1227.1 U1201.29(VDDIO_REG)
ENET_WOL: R1206.2 U101.M7(GPIO1_IO10) U1201.40(WOL_INT)
ENET_XTLI: C1221.1 R1225.2 R1226.1 U1201.7(XTLI) Y1201.3
ENET_XTLO: C1220.1 U1201.6(XTLO) Y1201.1
ETH_TRX0_N: J1201.10 U1201.12(TRXN0)
ETH_TRX0_P: J1201.9 U1201.11(TRXP0)
ETH_TRX1_N: J1201.8 U1201.15(TRXN1)
ETH_TRX1_P: J1201.7 U1201.14(TRXP1)
ETH_TRX2_N: J1201.6 U1201.18(TRXN2)
ETH_TRX2_P: J1201.5 U1201.17(TRXP2)
ETH_TRX3_N: J1201.4 U1201.21(TRXN3)
ETH_TRX3_P: J1201.3 U1201.20(TRXP3)
FRS_EN: U906.C4(FO) U907.1(FRS_EN)
HDMI_AUXN: C1012.1 U101.V2(HDMI_AUX_N)
HDMI_AUXN_C: C1012.2 U1001.C2(CH1_OUT-)
HDMI_AUXP: C1011.1 U101.V1(HDMI_AUX_P)
HDMI_AUXP_C: C1011.2 U1001.C1(CH1_OUT+)
HDMI_CEC: J1001.13(CEC) R1007.2 TVS1005.2(A2) U101.W3(HDMI_CEC)
HDMI_CLKN: C1006.1 U101.M2(HDMI_TX_M_LN_3)
HDMI_CLKN_C: C1006.2 R1014.1 U1001.C6(CH3_OUT-)
HDMI_CLKN_CN: J1001.12(CK-) U1001.A6(CH3_IN-)
HDMI_CLKP: C1005.1 U101.M1(HDMI_TX_P_LN_3)
HDMI_CLKP_C: C1005.2 R1015.1 U1001.C5(CH3_OUT+)
HDMI_CLKP_CN: J1001.10(CK+) U1001.A5(CH3_IN+)
HDMI_DDC_SCL: J1001.15(SCL) R1009.2 TVS1004.2(A2) U101.R3(HDMI_DDC_SCL)
HDMI_DDC_SDA: J1001.16(SDA) R1004.2 TVS1003.2(A2) U101.P3(HDMI_DDC_SDA)
HDMI_HPD: J1001.19(HPD) R1002.1 U101.W2(HDMI_HPD) U1001.A2(CH1_IN-)
HDMI_REFCLKN: R511.2 R512.1 U101.R1(HDMI_REFCLK_N)
HDMI_REFCLKP: R510.2 R513.1 U101.R2(HDMI_REFCLK_P)
HDMI_TXN0: C1004.1 U101.T2(HDMI_TX_M_LN_0)
HDMI_TXN0_C: C1004.2 R1012.1 U1001.C4(CH2_OUT-)
HDMI_TXN0_CN: J1001.9(D0-) U1001.A4(CH2_IN-)
HDMI_TXN1: C1010.1 U101.U1(HDMI_TX_M_LN_1)
HDMI_TXN1_C: C1010.2 R1018.1 U1002.C4(CH2_OUT-)
HDMI_TXN1_CN: J1001.6(D1-) U1002.A4(CH2_IN-)
HDMI_TXN2: C1008.1 U101.N1(HDMI_TX_M_LN_2)
HDMI_TXN2_C: C1008.2 R1016.1 U1002.C2(CH1_OUT-)
HDMI_TXN2_CN: J1001.3(D2-) U1002.A2(CH1_IN-)
HDMI_TXP0: C1003.1 U101.T1(HDMI_TX_P_LN_0)
HDMI_TXP0_C: C1003.2 R1013.1 U1001.C3(CH2_OUT+)
HDMI_TXP0_CN: J1001.7(D0+) U1001.A3(CH2_IN+)
HDMI_TXP1: C1009.1 U101.U2(HDMI_TX_P_LN_1)
HDMI_TXP1_C: C1009.2 R1019.1 U1002.C3(CH2_OUT+)
HDMI_TXP1_CN: J1001.4(D1+) U1002.A3(CH2_IN+)
HDMI_TXP2: C1007.1 U101.N2(HDMI_TX_P_LN_2)
HDMI_TXP2_C: C1007.2 R1017.1 U1002.C1(CH1_OUT+)
HDMI_TXP2_CN: J1001.1(D2+) U1002.A1(CH1_IN+)
HDMI_UTILITY/HEAC+_CN: J1001.14(UTILITY) U1001.A1(CH1_IN+)
I2C1_SCL: R301.2 R721.2 R940.2 U101.E7(I2C1_SCL) U1502.1(B2)
I2C1_SDA: R302.2 R719.2 R941.2 U101.E8(I2C1_SDA) U1502.8(B1)
I2C2_SCL: J801.1(A1) R303.2 R1326.1 R1452.1 U101.G7(I2C2_SCL) U1501.12(B2)
I2C2_SDA: J801.3(A2) R304.2 R1327.1 R1453.1 U101.F7(I2C2_SDA) U1501.13(B1)
I2C3_SCL: J1801.50 R305.2 U101.G8(I2C3_SCL) U1501.10(B4)
I2C3_SDA: J1801.51 R306.2 U101.E9(I2C3_SDA) U1501.11(B3)
ILIM: R924.1 R925.1 U906.A3(ILIM)
ILIM_5V_VBUS: Q905.2(GATE) U907.6(ILIM_5V_VBUS)
IPOD_NRST: J801.8(B4) R310.2 R844.1
IR_CAP: R1615.1 U101.L7(GPIO1_IO12)
JTAG_MOD: R410.1 U101.U7(JTAG_MOD)
JTAG_NTRST: R418.2 TP402.1(TP) U101.U6(JTAG_TRST_B)
JTAG_TCK: J401.4(B2) R408.1 TP405.1(TP) U101.T5(JTAG_TCK)
JTAG_TDI: J401.8(B4) R403.2 TP403.1(TP) U101.W5(JTAG_TDI)
JTAG_TDO: J401.6(B3) TP406.1(TP) U101.U5(JTAG_TDO)
JTAG_TMS: J401.2(B1) R402.2 TP404.1(TP) U101.V5(JTAG_TMS)
LED_ACT: C1217.1 R1202.1 R1215.1 R1216.1 U1201.23(LED_ACT)
LED_LINK10_100: C1219.1 J1201.14 U1201.26(LED_LINK10_100)
LED_LINK1000: C1218.1 R1203.1 R1221.1 U1201.24(LED_LINK1000)
LINEVDD: C1101.1 L1104.1 U1101.6(LINEVDD)
LINK / ACTIVE: J1201.13 R1203.2
LINKACT: J1201.11 R1202.2
M2_I2C_SCL: J1401.60(I2C_CLK) J1502.B11(SIDEBAND_6) R1523.2 U1501.3(A2)
M2_I2C_SDA: J1401.58(I2C_DATA) J1502.B10(SIDEBAND_2) R1522.2 U1501.2(A1)
M2_PCM_CLK: J1401.8(I2S_SCK) U1402.2(A1)
M2_PCM_IN: J1401.12(I2S_SD_IN) U1402.5(A4)
M2_PCM_OUT: J1401.14(I2S_SD_OUT) U1402.4(A3)
M2_PCM_SYNC: J1401.10(I2S_WS) U1402.3(A2)
M2_SD_CLK: J1401.9(SDIO_CLK) R1429.2
M2_SD_CMD: J1401.11(SDIO_CMD) R1430.2
M2_SD_DAT0: J1401.13(SDIO_DATA0) R1431.2
M2_SD_DAT1: J1401.15(SDIO_DATA1) R1432.2
M2_SD_DAT2: J1401.17(SDIO_DATA2) R1433.2
M2_SD_DAT3: J1401.19(SDIO_DATA3) R1434.2
M2_SD_NRST: D1404.A J1401.23(S\D\I\O\_\R\S\T\) R1436.2 R1464.2
M2_SD_WAKE: J1401.21(S\D\I\O\_\W\A\K\E\) R1435.2
M2_UART_CTS: J1401.36(UART_RTS) U1403.4(A3)
M2_UART_RTS: J1401.34(UART_CTS) U1403.5(A4)
M2_UART_RXD: J1401.22(UART_RXD) U1403.3(A2)
M2_UART_TXD: J1401.32(UART_TXD) U1403.2(A1)
M2_USB_DN: J1401.5(USB_D-) R1417.2
M2_USB_DP: J1401.3(USB_D+) R1418.2
MDC: R1209.2 U1201.1(MDC)
MDIO: R1210.2 U1201.48(MDIO)
NAND_CLE: R309.1 R310.1 U101.H21(NAND_CLE)
NAND_DATA0: TP602.1(TP) U101.G20(NAND_DATA00) U603.5(DQ0)
NAND_DATA1: U101.J20(NAND_DATA01) U603.2(DQ1)
NAND_DATA2: U101.H22(NAND_DATA02) U603.3(W\/DQ2)
NAND_DATA3: U101.J21(NAND_DATA03) U603.7(H\O\L\D\/DQ3)
NAND_DATA4: J1801.56 U101.L20(NAND_DATA04)
NAND_DATA5: J1801.57 U101.J22(NAND_DATA05)
NAND_DATA6: J1801.58 U101.L19(NAND_DATA06)
NAND_DATA7: J1801.59 U101.M19(NAND_DATA07)
NAND_NCE3: J1801.52 U101.H20(NAND_CE3_B)
NAND_NREADY: J1801.55 U101.K20(NAND_READY_B)
NAND_NWE: J1801.53 U101.K22(NAND_WE_B)
NAND_NWP: J1801.54 U101.K21(NAND_WP_B)
NRST: D701.A D702.A R716.1 U704.3(M\R\)
NRST_99512133: D401.C J401.10(B5) R404.2
NSUSPEND0: U1701.1(S\U\S\P\E\N\D\/\R\I\_\S\C\I\)
NSUSPEND1: U1701.17(S\U\S\P\E\N\D\/\R\I\_\E\C\I\)
NVCC_1V8: C192.1 C201.1 C202.1 C203.1 C204.1 C205.1 C604.1 C605.1 C606.1 C607.1 C901.1 C902.1 C1431.1 C1432.1 C1435.1 C1436.1 C1509.1 C1512.1 C1515.1 C1518.1 C1521.1 C1522.1 C1527.1 C1529.1 J1501.A5(RX1_P) J1501.A6(RX1_N) J1502.A5(RX1_P) J1502.A6(RX1_N) J1503.A5(RX1_P) J1503.A6(RX1_N) L1306.1 L1307.2 L1401.1 L1402.2 R601.1 R602.1 R603.1 R901.1 R905.1 R906.1 R907.1 R908.1 R1342.1 R1344.1 R1347.1 R1419.1 R1450.1 R1454.1 R1456.1 R1464.1 R1505.1 R1506.1 R1507.1 R1508.1 R1509.1 R1510.1 R1519.1 R1520.1 R1521.1 R1522.1 R1523.1 R1524.1 R1525.1 R1526.1 R1527.1 R1528.1 R1529.1 R1531.1 SH706.2 U101.L23(NVCC_SD1_2) U101.M23(NVCC_SD1_1) U201.F1(VDD1_F1) U201.F12(VDD1_F12) U201.G4(VDD1_G4) U201.G9(VDD1_G9) U201.T4(VDD1_T4) U201.T9(VDD1_T9) U201.U1(VDD1_U1) U201.U12(VDD1_U12) U601.C6(VCCQ1) U601.M4(VCCQ2) U601.N4(VCCQ3) U601.P3(VCCQ4) U601.P5(VCCQ5) U901.5(VDD1V8) U1402.1(VCCA) U1403.1(VCCA) U1501.1(VCCA) U1502.3(VCCA)
